# Allegro board LED_FIN.brd (continued)
## Placement (name value [footprint] x y rotation side) (continued)
D7663  0603_LED  [0603_SINGLE]  181.25 262 0 top
D7664  0603_LED  [0603_SINGLE]  183.25 262 0 top
D7665  0603_LED  [0603_SINGLE]  185.25 262 0 top
D7666  0603_LED  [0603_SINGLE]  187.25 262 0 top
D7667  0603_LED  [0603_SINGLE]  189.25 262 0 top
D7668  0603_LED  [0603_SINGLE]  191.25 262 0 top
D7669  0603_LED  [0603_SINGLE]  193.25 262 0 top
D7670  0603_LED  [0603_SINGLE]  195.25 262 0 top
D7671  0603_LED  [0603_SINGLE]  197.25 262 0 top
D7672  0603_LED  [0603_SINGLE]  199.25 262 0 top
D7673  0603_LED  [0603_SINGLE]  201.25 262 0 top
D7674  0603_LED  [0603_SINGLE]  203.25 262 0 top
D7675  0603_LED  [0603_SINGLE]  205.25 262 0 top
D7676  0603_LED  [0603_SINGLE]  207.25 262 0 top
D7677  0603_LED  [0603_SINGLE]  209.25 262 0 top
D7678  0603_LED  [0603_SINGLE]  211.25 262 0 top
D7679  0603_LED  [0603_SINGLE]  213.25 262 0 top
D7680  0603_LED  [0603_SINGLE]  215.25 262 0 top
D7681  0603_LED  [0603_SINGLE]  157.25 260 0 top
D7682  0603_LED  [0603_SINGLE]  159.25 260 0 top
D7683  0603_LED  [0603_SINGLE]  161.25 260 0 top
D7684  0603_LED  [0603_SINGLE]  163.25 260 0 top
D7685  0603_LED  [0603_SINGLE]  165.25 260 0 top
D7686  0603_LED  [0603_SINGLE]  167.25 260 0 top
D7687  0603_LED  [0603_SINGLE]  169.25 260 0 top
D7688  0603_LED  [0603_SINGLE]  171.25 260 0 top
D7689  0603_LED  [0603_SINGLE]  173.25 260 0 top
D7690  0603_LED  [0603_SINGLE]  175.25 260 0 top
D7691  0603_LED  [0603_SINGLE]  177.25 260 0 top
D7692  0603_LED  [0603_SINGLE]  179.25 260 0 top
D7693  0603_LED  [0603_SINGLE]  181.25 260 0 top
D7694  0603_LED  [0603_SINGLE]  183.25 260 0 top
D7695  0603_LED  [0603_SINGLE]  185.25 260 0 top
D7696  0603_LED  [0603_SINGLE]  187.25 260 0 top
D7697  0603_LED  [0603_SINGLE]  189.25 260 0 top
D7698  0603_LED  [0603_SINGLE]  191.25 260 0 top
D7699  0603_LED  [0603_SINGLE]  193.25 260 0 top
D7700  0603_LED  [0603_SINGLE]  195.25 260 0 top
D7701  0603_LED  [0603_SINGLE]  197.25 260 0 top
D7702  0603_LED  [0603_SINGLE]  199.25 260 0 top
D7703  0603_LED  [0603_SINGLE]  201.25 260 0 top
D7704  0603_LED  [0603_SINGLE]  203.25 260 0 top
D7705  0603_LED  [0603_SINGLE]  205.25 260 0 top
D7706  0603_LED  [0603_SINGLE]  207.25 260 0 top
D7707  0603_LED  [0603_SINGLE]  209.25 260 0 top
D7708  0603_LED  [0603_SINGLE]  211.25 260 0 top
D7709  0603_LED  [0603_SINGLE]  213.25 260 0 top
D7710  0603_LED  [0603_SINGLE]  215.25 260 0 top
D7711  0603_LED  [0603_SINGLE]  157.25 258 0 top
D7712  0603_LED  [0603_SINGLE]  159.25 258 0 top
D7713  0603_LED  [0603_SINGLE]  161.25 258 0 top
D7714  0603_LED  [0603_SINGLE]  163.25 258 0 top
D7715  0603_LED  [0603_SINGLE]  165.25 258 0 top
D7716  0603_LED  [0603_SINGLE]  167.25 258 0 top
D7717  0603_LED  [0603_SINGLE]  169.25 258 0 top
D7718  0603_LED  [0603_SINGLE]  171.25 258 0 top
D7719  0603_LED  [0603_SINGLE]  173.25 258 0 top
D7720  0603_LED  [0603_SINGLE]  175.25 258 0 top
D7721  0603_LED  [0603_SINGLE]  177.25 258 0 top
D7722  0603_LED  [0603_SINGLE]  179.25 258 0 top
D7723  0603_LED  [0603_SINGLE]  181.25 258 0 top
D7724  0603_LED  [0603_SINGLE]  183.25 258 0 top
D7725  0603_LED  [0603_SINGLE]  185.25 258 0 top
D7726  0603_LED  [0603_SINGLE]  187.25 258 0 top
D7727  0603_LED  [0603_SINGLE]  189.25 258 0 top
D7728  0603_LED  [0603_SINGLE]  191.25 258 0 top
D7729  0603_LED  [0603_SINGLE]  193.25 258 0 top
D7730  0603_LED  [0603_SINGLE]  195.25 258 0 top
D7731  0603_LED  [0603_SINGLE]  197.25 258 0 top
D7732  0603_LED  [0603_SINGLE]  199.25 258 0 top
D7733  0603_LED  [0603_SINGLE]  201.25 258 0 top
D7734  0603_LED  [0603_SINGLE]  203.25 258 0 top
D7735  0603_LED  [0603_SINGLE]  205.25 258 0 top
D7736  0603_LED  [0603_SINGLE]  207.25 258 0 top
D7737  0603_LED  [0603_SINGLE]  209.25 258 0 top
D7738  0603_LED  [0603_SINGLE]  211.25 258 0 top
D7739  0603_LED  [0603_SINGLE]  213.25 258 0 top
D7740  0603_LED  [0603_SINGLE]  215.25 258 0 top
D7741  0603_LED  [0603_SINGLE]  157.25 256 0 top
D7742  0603_LED  [0603_SINGLE]  159.25 256 0 top
D7743  0603_LED  [0603_SINGLE]  161.25 256 0 top
D7744  0603_LED  [0603_SINGLE]  163.25 256 0 top
D7745  0603_LED  [0603_SINGLE]  165.25 256 0 top
D7746  0603_LED  [0603_SINGLE]  167.25 256 0 top
D7747  0603_LED  [0603_SINGLE]  169.25 256 0 top
D7748  0603_LED  [0603_SINGLE]  171.25 256 0 top
D7749  0603_LED  [0603_SINGLE]  173.25 256 0 top
D7750  0603_LED  [0603_SINGLE]  175.25 256 0 top
D7751  0603_LED  [0603_SINGLE]  177.25 256 0 top
D7752  0603_LED  [0603_SINGLE]  179.25 256 0 top
D7753  0603_LED  [0603_SINGLE]  181.25 256 0 top
D7754  0603_LED  [0603_SINGLE]  183.25 256 0 top
D7755  0603_LED  [0603_SINGLE]  185.25 256 0 top
D7756  0603_LED  [0603_SINGLE]  187.25 256 0 top
D7757  0603_LED  [0603_SINGLE]  189.25 256 0 top
D7758  0603_LED  [0603_SINGLE]  191.25 256 0 top
D7759  0603_LED  [0603_SINGLE]  193.25 256 0 top
D7760  0603_LED  [0603_SINGLE]  195.25 256 0 top
D7761  0603_LED  [0603_SINGLE]  197.25 256 0 top
D7762  0603_LED  [0603_SINGLE]  199.25 256 0 top
D7763  0603_LED  [0603_SINGLE]  201.25 256 0 top
D7764  0603_LED  [0603_SINGLE]  203.25 256 0 top
D7765  0603_LED  [0603_SINGLE]  205.25 256 0 top
D7766  0603_LED  [0603_SINGLE]  207.25 256 0 top
D7767  0603_LED  [0603_SINGLE]  209.25 256 0 top
D7768  0603_LED  [0603_SINGLE]  211.25 256 0 top
D7769  0603_LED  [0603_SINGLE]  213.25 256 0 top
D7770  0603_LED  [0603_SINGLE]  215.25 256 0 top
D7771  0603_LED  [0603_SINGLE]  157.25 254 0 top
D7772  0603_LED  [0603_SINGLE]  159.25 254 0 top
D7773  0603_LED  [0603_SINGLE]  161.25 254 0 top
D7774  0603_LED  [0603_SINGLE]  163.25 254 0 top
D7775  0603_LED  [0603_SINGLE]  165.25 254 0 top
D7776  0603_LED  [0603_SINGLE]  167.25 254 0 top
D7777  0603_LED  [0603_SINGLE]  169.25 254 0 top
D7778  0603_LED  [0603_SINGLE]  171.25 254 0 top
D7779  0603_LED  [0603_SINGLE]  173.25 254 0 top
D7780  0603_LED  [0603_SINGLE]  175.25 254 0 top
D7781  0603_LED  [0603_SINGLE]  177.25 254 0 top
D7782  0603_LED  [0603_SINGLE]  179.25 254 0 top
D7783  0603_LED  [0603_SINGLE]  181.25 254 0 top
D7784  0603_LED  [0603_SINGLE]  183.25 254 0 top
D7785  0603_LED  [0603_SINGLE]  185.25 254 0 top
D7786  0603_LED  [0603_SINGLE]  187.25 254 0 top
D7787  0603_LED  [0603_SINGLE]  189.25 254 0 top
D7788  0603_LED  [0603_SINGLE]  191.25 254 0 top
D7789  0603_LED  [0603_SINGLE]  193.25 254 0 top
D7790  0603_LED  [0603_SINGLE]  195.25 254 0 top
D7791  0603_LED  [0603_SINGLE]  197.25 254 0 top
D7792  0603_LED  [0603_SINGLE]  199.25 254 0 top
D7793  0603_LED  [0603_SINGLE]  201.25 254 0 top
D7794  0603_LED  [0603_SINGLE]  203.25 254 0 top
D7795  0603_LED  [0603_SINGLE]  205.25 254 0 top
D7796  0603_LED  [0603_SINGLE]  207.25 254 0 top
D7797  0603_LED  [0603_SINGLE]  209.25 254 0 top
D7798  0603_LED  [0603_SINGLE]  211.25 254 0 top
D7799  0603_LED  [0603_SINGLE]  213.25 254 0 top
D7800  0603_LED  [0603_SINGLE]  215.25 254 0 top
D7801  0603_LED  [0603_SINGLE]  157.25 252 0 top
D7802  0603_LED  [0603_SINGLE]  159.25 252 0 top
D7803  0603_LED  [0603_SINGLE]  161.25 252 0 top
D7804  0603_LED  [0603_SINGLE]  163.25 252 0 top
D7805  0603_LED  [0603_SINGLE]  165.25 252 0 top
D7806  0603_LED  [0603_SINGLE]  167.25 252 0 top
D7807  0603_LED  [0603_SINGLE]  169.25 252 0 top
D7808  0603_LED  [0603_SINGLE]  171.25 252 0 top
D7809  0603_LED  [0603_SINGLE]  173.25 252 0 top
D7810  0603_LED  [0603_SINGLE]  175.25 252 0 top
D7811  0603_LED  [0603_SINGLE]  177.25 252 0 top
D7812  0603_LED  [0603_SINGLE]  179.25 252 0 top
D7813  0603_LED  [0603_SINGLE]  181.25 252 0 top
D7814  0603_LED  [0603_SINGLE]  183.25 252 0 top
D7815  0603_LED  [0603_SINGLE]  185.25 252 0 top
D7816  0603_LED  [0603_SINGLE]  187.25 252 0 top
D7817  0603_LED  [0603_SINGLE]  189.25 252 0 top
D7818  0603_LED  [0603_SINGLE]  191.25 252 0 top
D7819  0603_LED  [0603_SINGLE]  193.25 252 0 top
D7820  0603_LED  [0603_SINGLE]  195.25 252 0 top
D7821  0603_LED  [0603_SINGLE]  197.25 252 0 top
D7822  0603_LED  [0603_SINGLE]  199.25 252 0 top
D7823  0603_LED  [0603_SINGLE]  201.25 252 0 top
D7824  0603_LED  [0603_SINGLE]  203.25 252 0 top
D7825  0603_LED  [0603_SINGLE]  205.25 252 0 top
D7826  0603_LED  [0603_SINGLE]  207.25 252 0 top
D7827  0603_LED  [0603_SINGLE]  209.25 252 0 top
D7828  0603_LED  [0603_SINGLE]  211.25 252 0 top
D7829  0603_LED  [0603_SINGLE]  213.25 252 0 top
D7830  0603_LED  [0603_SINGLE]  215.25 252 0 top
D7831  0603_LED  [0603_SINGLE]  157.25 250 0 top
D7832  0603_LED  [0603_SINGLE]  159.25 250 0 top
D7833  0603_LED  [0603_SINGLE]  161.25 250 0 top
D7834  0603_LED  [0603_SINGLE]  163.25 250 0 top
D7835  0603_LED  [0603_SINGLE]  165.25 250 0 top
D7836  0603_LED  [0603_SINGLE]  167.25 250 0 top
D7837  0603_LED  [0603_SINGLE]  169.25 250 0 top
D7838  0603_LED  [0603_SINGLE]  171.25 250 0 top
D7839  0603_LED  [0603_SINGLE]  173.25 250 0 top
D7840  0603_LED  [0603_SINGLE]  175.25 250 0 top
D7841  0603_LED  [0603_SINGLE]  177.25 250 0 top
D7842  0603_LED  [0603_SINGLE]  179.25 250 0 top
D7843  0603_LED  [0603_SINGLE]  181.25 250 0 top
D7844  0603_LED  [0603_SINGLE]  183.25 250 0 top
D7845  0603_LED  [0603_SINGLE]  185.25 250 0 top
D7846  0603_LED  [0603_SINGLE]  187.25 250 0 top
D7847  0603_LED  [0603_SINGLE]  189.25 250 0 top
D7848  0603_LED  [0603_SINGLE]  191.25 250 0 top
D7849  0603_LED  [0603_SINGLE]  193.25 250 0 top
D7850  0603_LED  [0603_SINGLE]  195.25 250 0 top
D7851  0603_LED  [0603_SINGLE]  197.25 250 0 top
D7852  0603_LED  [0603_SINGLE]  199.25 250 0 top
D7853  0603_LED  [0603_SINGLE]  201.25 250 0 top
D7854  0603_LED  [0603_SINGLE]  203.25 250 0 top
D7855  0603_LED  [0603_SINGLE]  205.25 250 0 top
D7856  0603_LED  [0603_SINGLE]  207.25 250 0 top
D7857  0603_LED  [0603_SINGLE]  209.25 250 0 top
D7858  0603_LED  [0603_SINGLE]  211.25 250 0 top
D7859  0603_LED  [0603_SINGLE]  213.25 250 0 top
D7860  0603_LED  [0603_SINGLE]  215.25 250 0 top
D7861  0603_LED  [0603_SINGLE]  157.25 248 0 top
D7862  0603_LED  [0603_SINGLE]  159.25 248 0 top
D7863  0603_LED  [0603_SINGLE]  161.25 248 0 top
D7864  0603_LED  [0603_SINGLE]  163.25 248 0 top
D7865  0603_LED  [0603_SINGLE]  165.25 248 0 top
D7866  0603_LED  [0603_SINGLE]  167.25 248 0 top
D7867  0603_LED  [0603_SINGLE]  169.25 248 0 top
D7868  0603_LED  [0603_SINGLE]  171.25 248 0 top
D7869  0603_LED  [0603_SINGLE]  173.25 248 0 top
D7870  0603_LED  [0603_SINGLE]  175.25 248 0 top
D7871  0603_LED  [0603_SINGLE]  177.25 248 0 top
D7872  0603_LED  [0603_SINGLE]  179.25 248 0 top
D7873  0603_LED  [0603_SINGLE]  181.25 248 0 top
D7874  0603_LED  [0603_SINGLE]  183.25 248 0 top
D7875  0603_LED  [0603_SINGLE]  185.25 248 0 top
D7876  0603_LED  [0603_SINGLE]  187.25 248 0 top
D7877  0603_LED  [0603_SINGLE]  189.25 248 0 top
D7878  0603_LED  [0603_SINGLE]  191.25 248 0 top
D7879  0603_LED  [0603_SINGLE]  193.25 248 0 top
D7880  0603_LED  [0603_SINGLE]  195.25 248 0 top
D7881  0603_LED  [0603_SINGLE]  197.25 248 0 top
D7882  0603_LED  [0603_SINGLE]  199.25 248 0 top
D7883  0603_LED  [0603_SINGLE]  201.25 248 0 top
D7884  0603_LED  [0603_SINGLE]  203.25 248 0 top
D7885  0603_LED  [0603_SINGLE]  205.25 248 0 top
D7886  0603_LED  [0603_SINGLE]  207.25 248 0 top
D7887  0603_LED  [0603_SINGLE]  209.25 248 0 top
D7888  0603_LED  [0603_SINGLE]  211.25 248 0 top
D7889  0603_LED  [0603_SINGLE]  213.25 248 0 top
D7890  0603_LED  [0603_SINGLE]  215.25 248 0 top
D7891  0603_LED  [0603_SINGLE]  157.25 246 0 top
D7892  0603_LED  [0603_SINGLE]  159.25 246 0 top
D7893  0603_LED  [0603_SINGLE]  161.25 246 0 top
D7894  0603_LED  [0603_SINGLE]  163.25 246 0 top
D7895  0603_LED  [0603_SINGLE]  165.25 246 0 top
D7896  0603_LED  [0603_SINGLE]  167.25 246 0 top
D7897  0603_LED  [0603_SINGLE]  169.25 246 0 top
D7898  0603_LED  [0603_SINGLE]  171.25 246 0 top
D7899  0603_LED  [0603_SINGLE]  173.25 246 0 top
D7900  0603_LED  [0603_SINGLE]  175.25 246 0 top
D7901  0603_LED  [0603_SINGLE]  177.25 246 0 top
D7902  0603_LED  [0603_SINGLE]  179.25 246 0 top
D7903  0603_LED  [0603_SINGLE]  181.25 246 0 top
D7904  0603_LED  [0603_SINGLE]  183.25 246 0 top
D7905  0603_LED  [0603_SINGLE]  185.25 246 0 top
D7906  0603_LED  [0603_SINGLE]  187.25 246 0 top
D7907  0603_LED  [0603_SINGLE]  189.25 246 0 top
D7908  0603_LED  [0603_SINGLE]  191.25 246 0 top
D7909  0603_LED  [0603_SINGLE]  193.25 246 0 top
D7910  0603_LED  [0603_SINGLE]  195.25 246 0 top
D7911  0603_LED  [0603_SINGLE]  197.25 246 0 top
D7912  0603_LED  [0603_SINGLE]  199.25 246 0 top
D7913  0603_LED  [0603_SINGLE]  201.25 246 0 top
D7914  0603_LED  [0603_SINGLE]  203.25 246 0 top
D7915  0603_LED  [0603_SINGLE]  205.25 246 0 top
D7916  0603_LED  [0603_SINGLE]  207.25 246 0 top
D7917  0603_LED  [0603_SINGLE]  209.25 246 0 top
D7918  0603_LED  [0603_SINGLE]  211.25 246 0 top
D7919  0603_LED  [0603_SINGLE]  213.25 246 0 top
D7920  0603_LED  [0603_SINGLE]  215.25 246 0 top
D7921  0603_LED  [0603_SINGLE]  157.25 244 0 top
D7922  0603_LED  [0603_SINGLE]  159.25 244 0 top
D7923  0603_LED  [0603_SINGLE]  161.25 244 0 top
D7924  0603_LED  [0603_SINGLE]  163.25 244 0 top
D7925  0603_LED  [0603_SINGLE]  165.25 244 0 top
D7926  0603_LED  [0603_SINGLE]  167.25 244 0 top
D7927  0603_LED  [0603_SINGLE]  169.25 244 0 top
D7928  0603_LED  [0603_SINGLE]  171.25 244 0 top
D7929  0603_LED  [0603_SINGLE]  173.25 244 0 top
D7930  0603_LED  [0603_SINGLE]  175.25 244 0 top
D7931  0603_LED  [0603_SINGLE]  177.25 244 0 top
D7932  0603_LED  [0603_SINGLE]  179.25 244 0 top
D7933  0603_LED  [0603_SINGLE]  181.25 244 0 top
D7934  0603_LED  [0603_SINGLE]  183.25 244 0 top
D7935  0603_LED  [0603_SINGLE]  185.25 244 0 top
D7936  0603_LED  [0603_SINGLE]  187.25 244 0 top
D7937  0603_LED  [0603_SINGLE]  189.25 244 0 top
D7938  0603_LED  [0603_SINGLE]  191.25 244 0 top
D7939  0603_LED  [0603_SINGLE]  193.25 244 0 top
D7940  0603_LED  [0603_SINGLE]  195.25 244 0 top
D7941  0603_LED  [0603_SINGLE]  197.25 244 0 top
D7942  0603_LED  [0603_SINGLE]  199.25 244 0 top
D7943  0603_LED  [0603_SINGLE]  201.25 244 0 top
D7944  0603_LED  [0603_SINGLE]  203.25 244 0 top
D7945  0603_LED  [0603_SINGLE]  205.25 244 0 top
D7946  0603_LED  [0603_SINGLE]  207.25 244 0 top
D7947  0603_LED  [0603_SINGLE]  209.25 244 0 top
D7948  0603_LED  [0603_SINGLE]  211.25 244 0 top
D7949  0603_LED  [0603_SINGLE]  213.25 244 0 top
D7950  0603_LED  [0603_SINGLE]  215.25 244 0 top
D7951  0603_LED  [0603_SINGLE]  157.25 242 0 top
D7952  0603_LED  [0603_SINGLE]  159.25 242 0 top
D7953  0603_LED  [0603_SINGLE]  161.25 242 0 top
D7954  0603_LED  [0603_SINGLE]  163.25 242 0 top
D7955  0603_LED  [0603_SINGLE]  165.25 242 0 top
D7956  0603_LED  [0603_SINGLE]  167.25 242 0 top
D7957  0603_LED  [0603_SINGLE]  169.25 242 0 top
D7958  0603_LED  [0603_SINGLE]  171.25 242 0 top
D7959  0603_LED  [0603_SINGLE]  173.25 242 0 top
D7960  0603_LED  [0603_SINGLE]  175.25 242 0 top
D7961  0603_LED  [0603_SINGLE]  177.25 242 0 top
D7962  0603_LED  [0603_SINGLE]  179.25 242 0 top
D7963  0603_LED  [0603_SINGLE]  181.25 242 0 top
D7964  0603_LED  [0603_SINGLE]  183.25 242 0 top
D7965  0603_LED  [0603_SINGLE]  185.25 242 0 top
D7966  0603_LED  [0603_SINGLE]  187.25 242 0 top
D7967  0603_LED  [0603_SINGLE]  189.25 242 0 top
D7968  0603_LED  [0603_SINGLE]  191.25 242 0 top
D7969  0603_LED  [0603_SINGLE]  193.25 242 0 top
D7970  0603_LED  [0603_SINGLE]  195.25 242 0 top
D7971  0603_LED  [0603_SINGLE]  197.25 242 0 top
D7972  0603_LED  [0603_SINGLE]  199.25 242 0 top
D7973  0603_LED  [0603_SINGLE]  201.25 242 0 top
D7974  0603_LED  [0603_SINGLE]  203.25 242 0 top
D7975  0603_LED  [0603_SINGLE]  205.25 242 0 top
D7976  0603_LED  [0603_SINGLE]  207.25 242 0 top
D7977  0603_LED  [0603_SINGLE]  209.25 242 0 top
D7978  0603_LED  [0603_SINGLE]  211.25 242 0 top
D7979  0603_LED  [0603_SINGLE]  213.25 242 0 top
D7980  0603_LED  [0603_SINGLE]  215.25 242 0 top
D7981  0603_LED  [0603_SINGLE]  217.25 316 0 top
D7982  0603_LED  [0603_SINGLE]  219.25 316 0 top
D7983  0603_LED  [0603_SINGLE]  221.25 316 0 top
D7984  0603_LED  [0603_SINGLE]  223.25 316 0 top
D7985  0603_LED  [0603_SINGLE]  225.25 316 0 top
D7986  0603_LED  [0603_SINGLE]  227.25 316 0 top
D7987  0603_LED  [0603_SINGLE]  229.25 316 0 top
D7988  0603_LED  [0603_SINGLE]  231.25 316 0 top
D7989  0603_LED  [0603_SINGLE]  233.25 316 0 top
D7990  0603_LED  [0603_SINGLE]  235.25 316 0 top
D7991  0603_LED  [0603_SINGLE]  237.25 316 0 top
D7992  0603_LED  [0603_SINGLE]  239.25 316 0 top
D7993  0603_LED  [0603_SINGLE]  241.25 316 0 top
D7994  0603_LED  [0603_SINGLE]  243.25 316 0 top
D7995  0603_LED  [0603_SINGLE]  245.25 316 0 top
D7996  0603_LED  [0603_SINGLE]  247.25 316 0 top
D7997  0603_LED  [0603_SINGLE]  249.25 316 0 top
D7998  0603_LED  [0603_SINGLE]  251.25 316 0 top
D7999  0603_LED  [0603_SINGLE]  253.25 316 0 top
D8000  0603_LED  [0603_SINGLE]  255.25 316 0 top
D8001  0603_LED  [0603_SINGLE]  257.25 316 0 top
D8002  0603_LED  [0603_SINGLE]  259.25 316 0 top
D8003  0603_LED  [0603_SINGLE]  261.25 316 0 top
D8004  0603_LED  [0603_SINGLE]  263.25 316 0 top
D8005  0603_LED  [0603_SINGLE]  265.25 316 0 top
D8006  0603_LED  [0603_SINGLE]  267.25 316 0 top
D8007  0603_LED  [0603_SINGLE]  269.25 316 0 top
D8008  0603_LED  [0603_SINGLE]  271.25 316 0 top
D8009  0603_LED  [0603_SINGLE]  273.25 316 0 top
D8010  0603_LED  [0603_SINGLE]  275.25 316 0 top
D8011  0603_LED  [0603_SINGLE]  217.25 314 0 top
D8012  0603_LED  [0603_SINGLE]  219.25 314 0 top
D8013  0603_LED  [0603_SINGLE]  221.25 314 0 top
D8014  0603_LED  [0603_SINGLE]  223.25 314 0 top
D8015  0603_LED  [0603_SINGLE]  225.25 314 0 top
D8016  0603_LED  [0603_SINGLE]  227.25 314 0 top
D8017  0603_LED  [0603_SINGLE]  229.25 314 0 top
D8018  0603_LED  [0603_SINGLE]  231.25 314 0 top
D8019  0603_LED  [0603_SINGLE]  233.25 314 0 top
D8020  0603_LED  [0603_SINGLE]  235.25 314 0 top
D8021  0603_LED  [0603_SINGLE]  237.25 314 0 top
D8022  0603_LED  [0603_SINGLE]  239.25 314 0 top
D8023  0603_LED  [0603_SINGLE]  241.25 314 0 top
D8024  0603_LED  [0603_SINGLE]  243.25 314 0 top
D8025  0603_LED  [0603_SINGLE]  245.25 314 0 top
D8026  0603_LED  [0603_SINGLE]  247.25 314 0 top
D8027  0603_LED  [0603_SINGLE]  249.25 314 0 top
D8028  0603_LED  [0603_SINGLE]  251.25 314 0 top
D8029  0603_LED  [0603_SINGLE]  253.25 314 0 top
D8030  0603_LED  [0603_SINGLE]  255.25 314 0 top
D8031  0603_LED  [0603_SINGLE]  257.25 314 0 top
D8032  0603_LED  [0603_SINGLE]  259.25 314 0 top
D8033  0603_LED  [0603_SINGLE]  261.25 314 0 top
D8034  0603_LED  [0603_SINGLE]  263.25 314 0 top
D8035  0603_LED  [0603_SINGLE]  265.25 314 0 top
D8036  0603_LED  [0603_SINGLE]  267.25 314 0 top
D8037  0603_LED  [0603_SINGLE]  269.25 314 0 top
D8038  0603_LED  [0603_SINGLE]  271.25 314 0 top
D8039  0603_LED  [0603_SINGLE]  273.25 314 0 top
D8040  0603_LED  [0603_SINGLE]  275.25 314 0 top
D8041  0603_LED  [0603_SINGLE]  217.25 312 0 top
D8042  0603_LED  [0603_SINGLE]  219.25 312 0 top
D8043  0603_LED  [0603_SINGLE]  221.25 312 0 top
D8044  0603_LED  [0603_SINGLE]  223.25 312 0 top
D8045  0603_LED  [0603_SINGLE]  225.25 312 0 top
D8046  0603_LED  [0603_SINGLE]  227.25 312 0 top
D8047  0603_LED  [0603_SINGLE]  229.25 312 0 top
D8048  0603_LED  [0603_SINGLE]  231.25 312 0 top
D8049  0603_LED  [0603_SINGLE]  233.25 312 0 top
D8050  0603_LED  [0603_SINGLE]  235.25 312 0 top
D8051  0603_LED  [0603_SINGLE]  237.25 312 0 top
D8052  0603_LED  [0603_SINGLE]  239.25 312 0 top
D8053  0603_LED  [0603_SINGLE]  241.25 312 0 top
D8054  0603_LED  [0603_SINGLE]  243.25 312 0 top
D8055  0603_LED  [0603_SINGLE]  245.25 312 0 top
D8056  0603_LED  [0603_SINGLE]  247.25 312 0 top
D8057  0603_LED  [0603_SINGLE]  249.25 312 0 top
D8058  0603_LED  [0603_SINGLE]  251.25 312 0 top
D8059  0603_LED  [0603_SINGLE]  253.25 312 0 top
D8060  0603_LED  [0603_SINGLE]  255.25 312 0 top
D8061  0603_LED  [0603_SINGLE]  257.25 312 0 top
D8062  0603_LED  [0603_SINGLE]  259.25 312 0 top
D8063  0603_LED  [0603_SINGLE]  261.25 312 0 top
D8064  0603_LED  [0603_SINGLE]  263.25 312 0 top
D8065  0603_LED  [0603_SINGLE]  265.25 312 0 top
D8066  0603_LED  [0603_SINGLE]  267.25 312 0 top
D8067  0603_LED  [0603_SINGLE]  269.25 312 0 top
D8068  0603_LED  [0603_SINGLE]  271.25 312 0 top
D8069  0603_LED  [0603_SINGLE]  273.25 312 0 top
D8070  0603_LED  [0603_SINGLE]  275.25 312 0 top
D8071  0603_LED  [0603_SINGLE]  217.25 310 0 top
D8072  0603_LED  [0603_SINGLE]  219.25 310 0 top
D8073  0603_LED  [0603_SINGLE]  221.25 310 0 top
D8074  0603_LED  [0603_SINGLE]  223.25 310 0 top
D8075  0603_LED  [0603_SINGLE]  225.25 310 0 top
D8076  0603_LED  [0603_SINGLE]  227.25 310 0 top
D8077  0603_LED  [0603_SINGLE]  229.25 310 0 top
D8078  0603_LED  [0603_SINGLE]  231.25 310 0 top
D8079  0603_LED  [0603_SINGLE]  233.25 310 0 top
D8080  0603_LED  [0603_SINGLE]  235.25 310 0 top
D8081  0603_LED  [0603_SINGLE]  237.25 310 0 top
D8082  0603_LED  [0603_SINGLE]  239.25 310 0 top
D8083  0603_LED  [0603_SINGLE]  241.25 310 0 top
D8084  0603_LED  [0603_SINGLE]  243.25 310 0 top
D8085  0603_LED  [0603_SINGLE]  245.25 310 0 top
D8086  0603_LED  [0603_SINGLE]  247.25 310 0 top
D8087  0603_LED  [0603_SINGLE]  249.25 310 0 top
D8088  0603_LED  [0603_SINGLE]  251.25 310 0 top
D8089  0603_LED  [0603_SINGLE]  253.25 310 0 top
D8090  0603_LED  [0603_SINGLE]  255.25 310 0 top
D8091  0603_LED  [0603_SINGLE]  257.25 310 0 top
D8092  0603_LED  [0603_SINGLE]  259.25 310 0 top
D8093  0603_LED  [0603_SINGLE]  261.25 310 0 top
D8094  0603_LED  [0603_SINGLE]  263.25 310 0 top
D8095  0603_LED  [0603_SINGLE]  265.25 310 0 top
D8096  0603_LED  [0603_SINGLE]  267.25 310 0 top
D8097  0603_LED  [0603_SINGLE]  269.25 310 0 top
D8098  0603_LED  [0603_SINGLE]  271.25 310 0 top
D8099  0603_LED  [0603_SINGLE]  273.25 310 0 top
D8100  0603_LED  [0603_SINGLE]  275.25 310 0 top
D8101  0603_LED  [0603_SINGLE]  217.25 308 0 top
D8102  0603_LED  [0603_SINGLE]  219.25 308 0 top
D8103  0603_LED  [0603_SINGLE]  221.25 308 0 top
D8104  0603_LED  [0603_SINGLE]  223.25 308 0 top
D8105  0603_LED  [0603_SINGLE]  225.25 308 0 top
D8106  0603_LED  [0603_SINGLE]  227.25 308 0 top
D8107  0603_LED  [0603_SINGLE]  229.25 308 0 top
D8108  0603_LED  [0603_SINGLE]  231.25 308 0 top
D8109  0603_LED  [0603_SINGLE]  233.25 308 0 top
D8110  0603_LED  [0603_SINGLE]  235.25 308 0 top
D8111  0603_LED  [0603_SINGLE]  237.25 308 0 top
D8112  0603_LED  [0603_SINGLE]  239.25 308 0 top
D8113  0603_LED  [0603_SINGLE]  241.25 308 0 top
D8114  0603_LED  [0603_SINGLE]  243.25 308 0 top
D8115  0603_LED  [0603_SINGLE]  245.25 308 0 top
D8116  0603_LED  [0603_SINGLE]  247.25 308 0 top
D8117  0603_LED  [0603_SINGLE]  249.25 308 0 top
D8118  0603_LED  [0603_SINGLE]  251.25 308 0 top
D8119  0603_LED  [0603_SINGLE]  253.25 308 0 top
D8120  0603_LED  [0603_SINGLE]  255.25 308 0 top
D8121  0603_LED  [0603_SINGLE]  257.25 308 0 top
D8122  0603_LED  [0603_SINGLE]  259.25 308 0 top
D8123  0603_LED  [0603_SINGLE]  261.25 308 0 top
D8124  0603_LED  [0603_SINGLE]  263.25 308 0 top
D8125  0603_LED  [0603_SINGLE]  265.25 308 0 top
D8126  0603_LED  [0603_SINGLE]  267.25 308 0 top
D8127  0603_LED  [0603_SINGLE]  269.25 308 0 top
D8128  0603_LED  [0603_SINGLE]  271.25 308 0 top
D8129  0603_LED  [0603_SINGLE]  273.25 308 0 top
D8130  0603_LED  [0603_SINGLE]  275.25 308 0 top
D8131  0603_LED  [0603_SINGLE]  217.25 306 0 top
D8132  0603_LED  [0603_SINGLE]  219.25 306 0 top
D8133  0603_LED  [0603_SINGLE]  221.25 306 0 top
D8134  0603_LED  [0603_SINGLE]  223.25 306 0 top
D8135  0603_LED  [0603_SINGLE]  225.25 306 0 top
D8136  0603_LED  [0603_SINGLE]  227.25 306 0 top
D8137  0603_LED  [0603_SINGLE]  229.25 306 0 top
D8138  0603_LED  [0603_SINGLE]  231.25 306 0 top
D8139  0603_LED  [0603_SINGLE]  233.25 306 0 top
D8140  0603_LED  [0603_SINGLE]  235.25 306 0 top
D8141  0603_LED  [0603_SINGLE]  237.25 306 0 top
D8142  0603_LED  [0603_SINGLE]  239.25 306 0 top
D8143  0603_LED  [0603_SINGLE]  241.25 306 0 top
D8144  0603_LED  [0603_SINGLE]  243.25 306 0 top
D8145  0603_LED  [0603_SINGLE]  245.25 306 0 top
D8146  0603_LED  [0603_SINGLE]  247.25 306 0 top
D8147  0603_LED  [0603_SINGLE]  249.25 306 0 top
D8148  0603_LED  [0603_SINGLE]  251.25 306 0 top
D8149  0603_LED  [0603_SINGLE]  253.25 306 0 top
D8150  0603_LED  [0603_SINGLE]  255.25 306 0 top
D8151  0603_LED  [0603_SINGLE]  257.25 306 0 top
D8152  0603_LED  [0603_SINGLE]  259.25 306 0 top
D8153  0603_LED  [0603_SINGLE]  261.25 306 0 top
D8154  0603_LED  [0603_SINGLE]  263.25 306 0 top
D8155  0603_LED  [0603_SINGLE]  265.25 306 0 top
D8156  0603_LED  [0603_SINGLE]  267.25 306 0 top
D8157  0603_LED  [0603_SINGLE]  269.25 306 0 top
D8158  0603_LED  [0603_SINGLE]  271.25 306 0 top
D8159  0603_LED  [0603_SINGLE]  273.25 306 0 top
D8160  0603_LED  [0603_SINGLE]  275.25 306 0 top
D8161  0603_LED  [0603_SINGLE]  217.25 304 0 top
D8162  0603_LED  [0603_SINGLE]  219.25 304 0 top
D8163  0603_LED  [0603_SINGLE]  221.25 304 0 top
D8164  0603_LED  [0603_SINGLE]  223.25 304 0 top
D8165  0603_LED  [0603_SINGLE]  225.25 304 0 top
D8166  0603_LED  [0603_SINGLE]  227.25 304 0 top
D8167  0603_LED  [0603_SINGLE]  229.25 304 0 top
D8168  0603_LED  [0603_SINGLE]  231.25 304 0 top
D8169  0603_LED  [0603_SINGLE]  233.25 304 0 top
D8170  0603_LED  [0603_SINGLE]  235.25 304 0 top
D8171  0603_LED  [0603_SINGLE]  237.25 304 0 top
D8172  0603_LED  [0603_SINGLE]  239.25 304 0 top
